# Altium PCB Motor_Driver.PcbDoc
Units mil, origin at the board's own origin, x right, y up, seen from the top; angles counter-clockwise.
Board outline 3935 x 2365 mil, 2 copper layers (Top Layer, Bottom Layer); 60 components, 44 nets, 399 pads, 16 vias.
Unrouted connection lines stored in the file: 2.
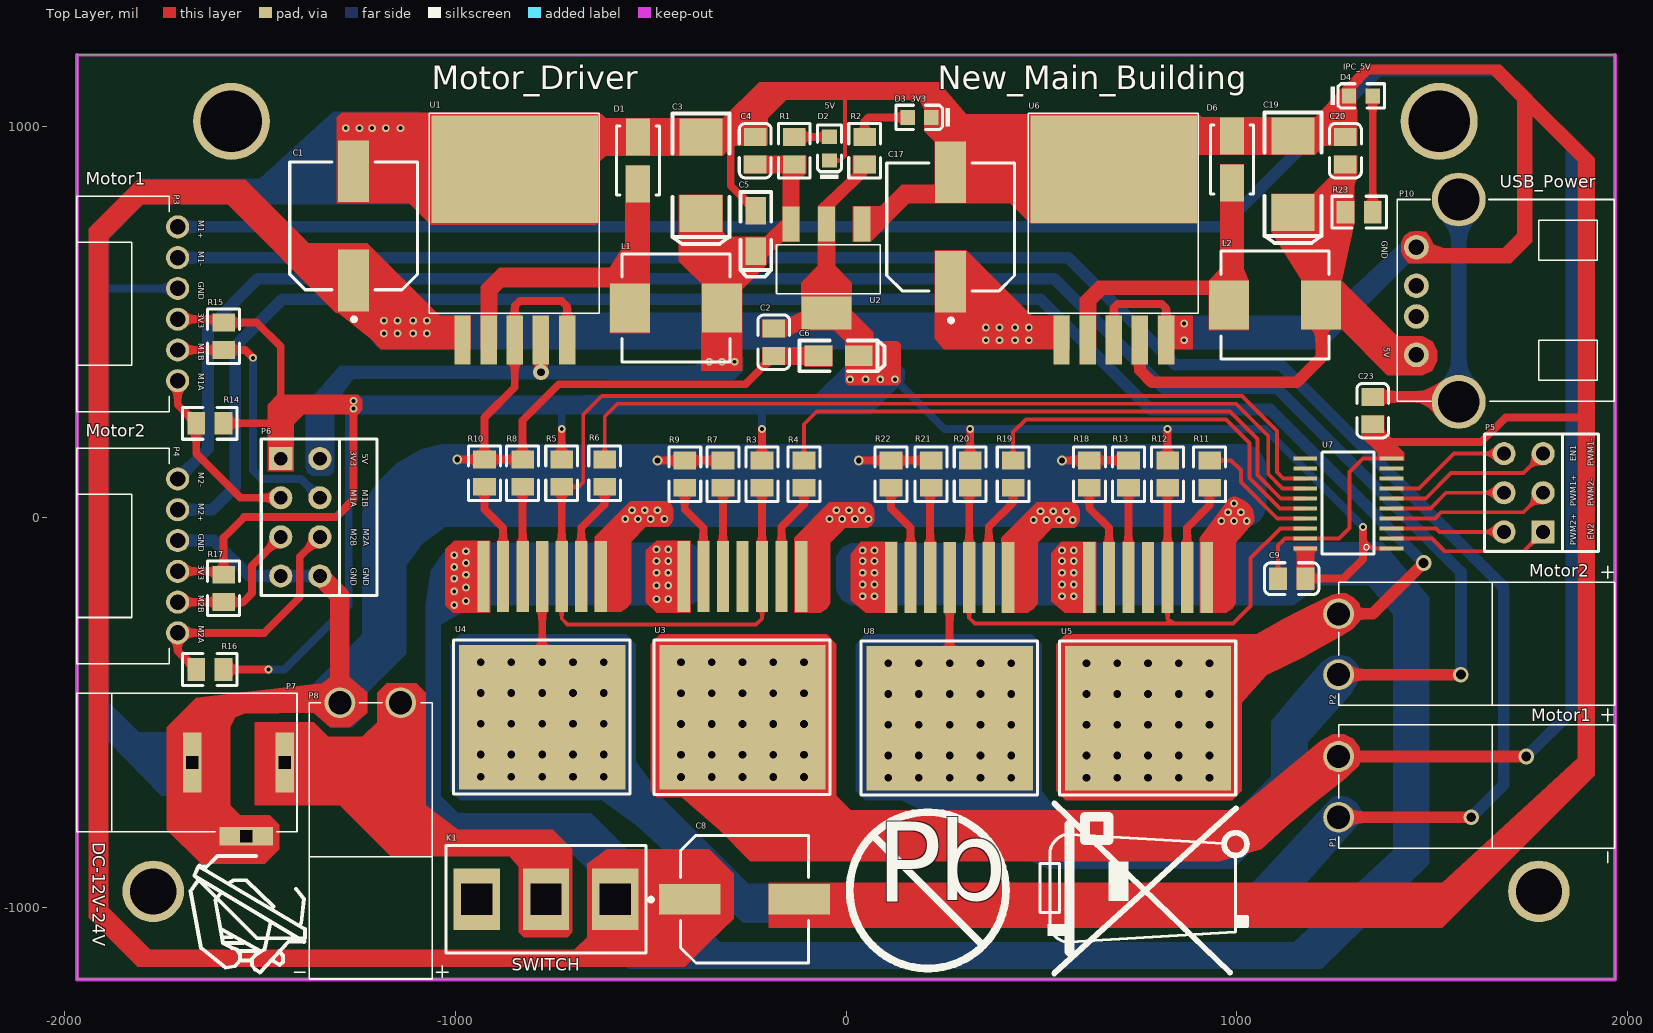
[diagram p0: Top Layer view]
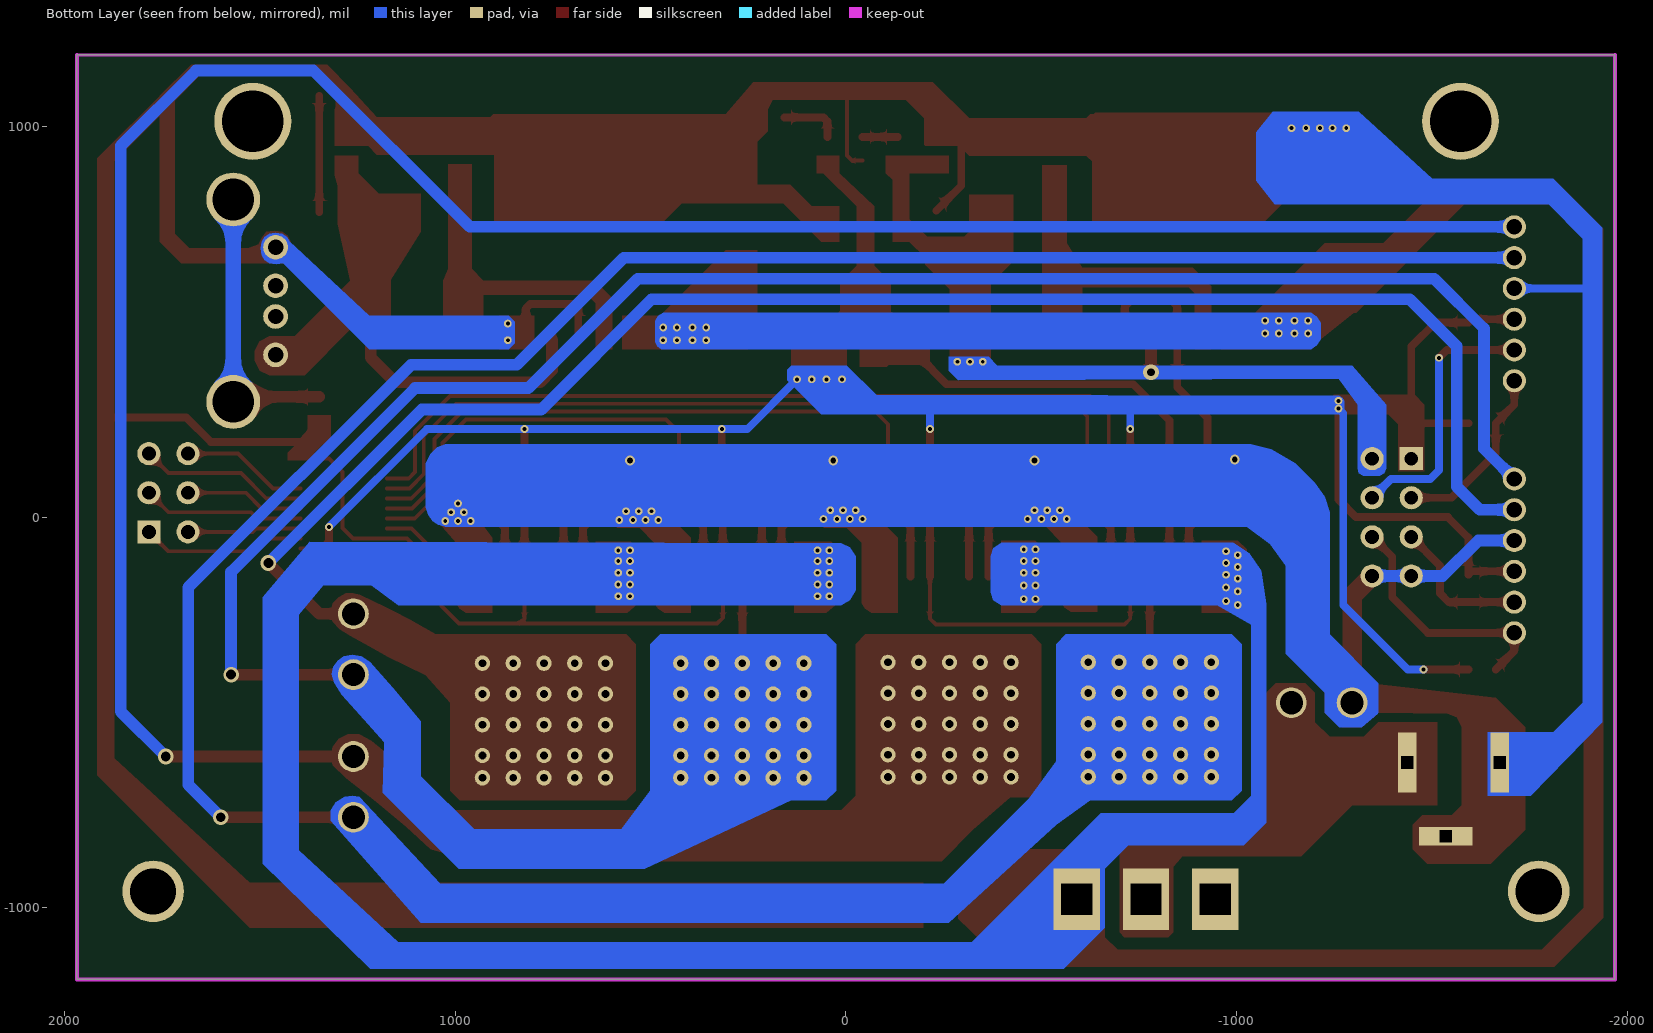
[diagram p1: Bottom Layer view, seen from below]
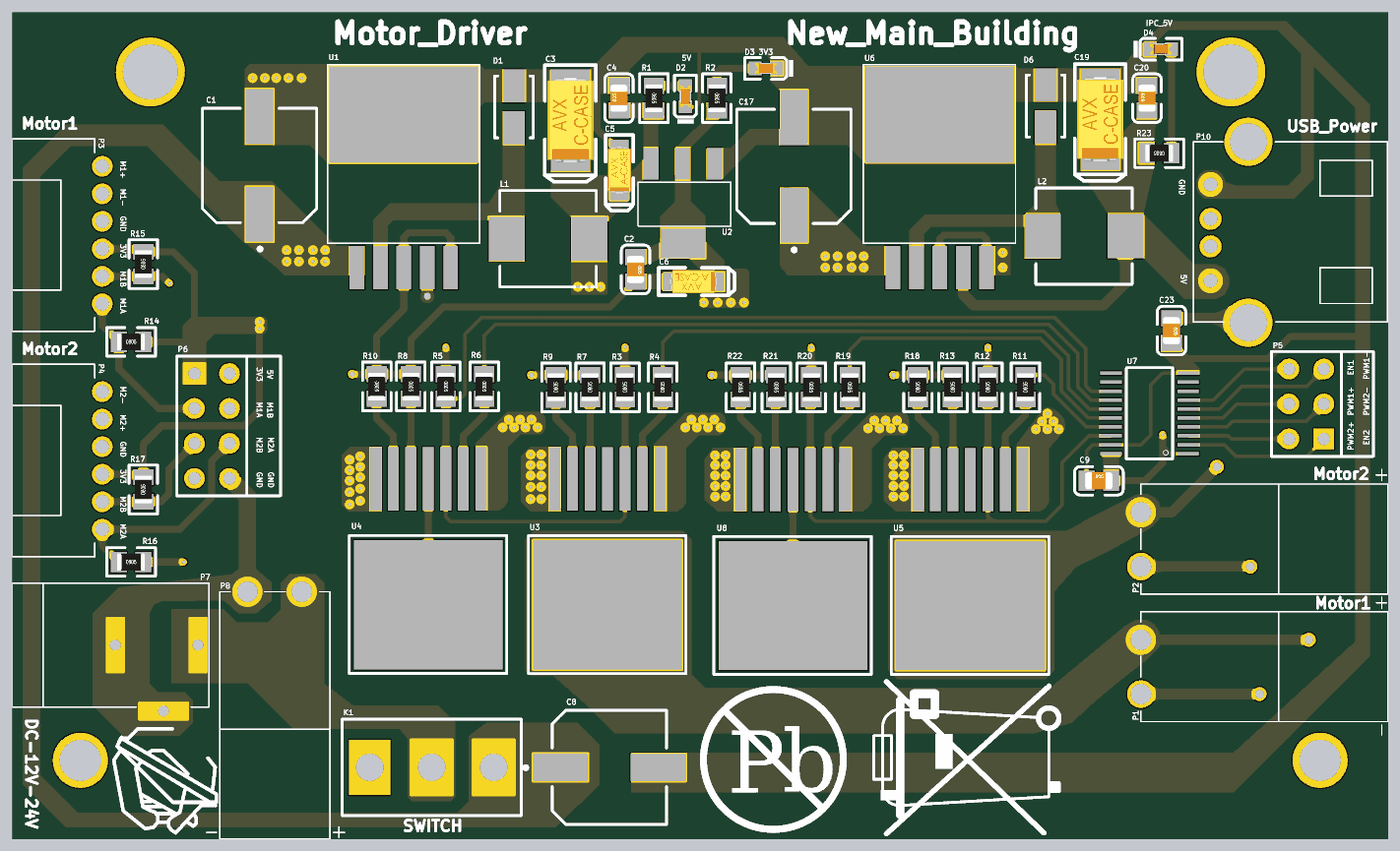
[diagram p2: 3D render of the assembled board from above, using the file's embedded part models]

## Layer stack, top to bottom
Top Solder: solder mask 0.4, Solder Resist, Dk 3.5
Top Layer: signal copper 1.4
Dielectric 1: dielectric 12.6, FR-4, Dk 4.8
Bottom Layer: signal copper 1.4
Bottom Solder: solder mask 0.4, Solder Resist, Dk 3.5

## Board outline
-1967.5,-1182.5 -1967.5,1182.5 1967.5,1182.5 1967.5,-1182.5

## Design rules (kind name [scope] priority, off if disabled: settings)
Clearance Polygon [InPolygon] p1: gap=30
Clearance [All] p2: gap=6
Height [All] p1: minheight=0 maxheight=2000 prefheight=500
HoleSize [All] p1: absolutevalues=TRUE maxlimit=200 minlimit=1 maxpercent=80.000 minpercent=20.000
MinimumSolderMaskSliver [All] p1: minsoldermaskwidth=0
PolygonConnect [All] p1: connectstyle=Relief reliefconductorwidth=15 reliefentries=4 polygonreliefangle="90 Angle" airgapwidth=20
RoutingVias [All] p1: holewidth=10 width=20 viastyle="Through Hole" minholewidth=10 minwidth=20 maxholewidth=160 maxwidth=200
SilkToSilkClearance [All] p1: silktosilkclearance=2
SilkToSolderMaskClearance [IsPad] p1: minsilkscreentomaskgap=0 clearancetoexposedcopper=TRUE
SolderMaskExpansion [All] p1: expansion=4
Width [All] p1: maxlimit=50 minlimit=10 preferedwidth=30
25 further rules are at their usual default settings.

## Components (designator, comment, footprint, x,y, rotation, side; value= is the part's Value field where it differs from the comment)
C1 "470uF,25v" SMD8102_C -1260,745 r180 top
C2 "0.1uF" 0805_C -185,447.54 r270 top
C3 "100uF,10V" CAP_CASE_C_6032 -372.5,872.5 r90 top
C4 "0.1uF" 0805_C -232.5,937.46 r90 top
C5 "10uF 10v" CAP_CASE_A_3216 -230,735 r90 top
C6 "10uF 10v" CAP_CASE_A_3216 -22.03,413.48 r180 top
C8 "470uF,35v" SMD8102_C -260,-977.5 r90 top
C9 "0.1uF" 0805_C 1140,-157.5 r0 top
C17 "470uF,25v" SMD8102_C 267.5,742.26 r180 top
C19 "100uF,10V" CAP_CASE_C_6032 1142.5,875 r90 top
C20 "0.1uF" 0805_C 1277.5,937.5 r90 top
C23 "0.1uF" 0805_C 1347.5,272.5 r270 top
D1 "SS34" SMA(DO-214AC) -532.5,912.46 r90 top
D2 "LED_0603" 0603_LED -42.5,942.5 r90 top
D3 "LED_0603" 0603_LED 187.82,1022.5 r180 top
D4 "LED_0603" 0603_LED 1317.18,1077.5 r0 top
D6 "SS34" SMA(DO-214AC) 987.5,915 r90 top
K1 "Switch" Switch_Key3 -767.83,-977.5 r180 top
L1 "330uH" SMD0707_L -435,535 r0 top
L2 "330uH" SMD0707_L 1097.5,542.5 r0 top
P1 "Motor1" HT3.96_Power 1260,-768.01 r90 top
P2 "Motor2" HT3.96_Power 1260,-403.01 r90 top
P3 "Motor1" PH2.0_P6 -1710,742.48 r270 top
P4 "Motor2" PH2.0_P6 -1710,97.48 r270 top
P5 "Motor_Control" Connect_3×2 1735,62.5 r90 top
P6 "MCU_Power" CONNECT_4×2 -1400,0 r270 top
P7 "DC005" DC005 -1534.7,-816.48 r0 top
P8 "Power" HT3.96_Power -1295,-475 r0 top
P10 "USB_Power" USB_Pin6 1459.23,414.86 r90 top
R1 "5.1k" 0805_R -132.5,937.54 r270 top
R2 "3.1k" 0805_R 47.5,937.5 r270 top
R3 "1k" 0805_R -215,110.04 r90 top
R4 "1k" 0805_R -107.5,110 r90 top
R5 "1k" 0805_R -727.5,112.54 r270 top
R6 "1k" 0805_R -617.5,112.54 r270 top
R7 "1k" 0805_R -315,110 r90 top
R8 "1k" 0805_R -827.5,112.54 r270 top
R9 "1k" 0805_R -412.5,109.96 r90 top
R10 "1k" 0805_R -925,112.54 r270 top
R11 "1k" 0805_R 930,110.04 r90 top
R12 "1k" 0805_R 822.5,110 r90 top
R13 "1k" 0805_R 722.5,110.04 r90 top
R14 "4.7k" 0805_R -1627.5,240 r0 top
R15 "4.7k" 0805_R -1592.5,462.54 r90 top
R16 "4.7k" 0805_R -1627.5,-390 r0 top
R17 "4.7k" 0805_R -1592.5,-182.5 r90 top
R18 "1k" 0805_R 622.5,110 r90 top
R19 "1k" 0805_R 427.5,110 r270 top
R20 "1k" 0805_R 317.5,110.04 r270 top
R21 "1k" 0805_R 217.5,110.04 r270 top
R22 "1k" 0805_R 115,110.04 r270 top
R23 "5.1k" 0805_R 1312.54,780 r180 top
U1 "LM2596S" LM2596S -847.5,472.68 r180 top
U2 "AMS1117_3.3V" LM1117 -50,521.65 r180 top
U3 "BTN7971B" BTN7971B -265,-512.5 r180 top
U4 "BTN7971B" BTN7971B -777.5,-512.01 r180 top
U5 "BTN7971B" BTN7971B 772.5,-514.51 r180 top
U6 "LM2596S" LM2596S 685,472.68 r180 top
U7 "SN74LVC245APW" SN74LVC245APW 1285,-80 r180 top
U8 "BTN7971B" BTN7971B 265,-514.51 r180 top

## Footprints (in the part's own frame and the unit in brackets; to place one, negate y for a bottom-side part, rotate by r counter-clockwise, add the part's x,y. Pads: shape width x height; smd on the part's side, far side on the other; paste and mask are expansions set on the pad)
0603_LED [mm]
  rect 0.93x0.98 smd: A(0.77,0) K(-0.77,0)
  silkscreen extent -1.98,-0.79 1.54,0.79, body extent -0.8,-0.4 0.8,0.4, height 0.6
0805_C [mm]
  rect 1.16x1.47 smd: 1(-0.89,0) 2(0.89,0)
  silkscreen extent -1.77,-1.04 1.77,1.04, body extent -1,-0.62 1,0.63, height 0.77
0805_R [mm]
  rect 1.16x1.47 smd: 1(-0.89,0) 2(0.89,0)
  silkscreen extent -1.77,-1.04 1.77,1.03, body extent -1,-0.62 1,0.63, height 0.49
BTN7971B [mm]
  rect 0.8x4.6 smd: 1(-3.81,-9.15) 2(-2.54,-9.15) 3(-1.27,-9.15) 4(0,-9.15) 5(1.27,-9.15) 6(2.54,-9.15) 7(3.81,-9.15)
  round 1 hole 0.5: 8(-4,3.875) 8(-4,-1.575) 8(-4,0.425) 8(-4,2.425) 8(-4,-3.575) 8(-2,2.425) 8(-2,3.875) 8(-2,0.425) 8(-2,-3.575) 8(-2,-1.575) 8(0,3.875) 8(0,2.425) 8(0,0.425) 8(0,-1.575) 8(0,-3.575) 8(2,2.425) 8(2,3.875) 8(2,0.425) 8(2,-3.575) 8(2,-1.575) 8(4,3.875) 8(4,-1.575) 8(4,0.425) 8(4,2.425) 8(4,-3.575)
  rect 10.8x9.4 smd: 8(0,0)
  silkscreen extent -5.7,-5.02 5.75,5, body extent -5.7,-5 5.72,5, height 4.4
CAP_CASE_A_3216 [mm]
  rect 1.8x1.35 smd: 1(-1.385,0.025) 2(1.235,0.025)
  silkscreen extent -3.05,-0.98 2.46,1.03, body extent -1.77,-0.81 1.63,0.87, height 1.71
CAP_CASE_C_6032 [mm]
  rect 2.4x2.8 smd: 1(-2.43,-0.025) 2(2.53,-0.025)
  silkscreen extent -4.42,-1.88 4.06,1.82, body extent -3,-1.7 3.1,1.65, height 2.7
Connect_3×2 [mm]
  rect 1.5x1.5 hole 0.9: 1(-2.545,-1.229)
  round 1.5 hole 0.9: 2(-2.545,1.311) 3(-0.005,-1.229) 4(-0.005,1.311) 5(2.535,-1.229) 6(2.535,1.311)
  silkscreen extent -3.82,-2.5 3.8,2.58
CONNECT_4×2 [mm]
  rect 1.5x1.5 hole 0.9: 1(-3.795,-1.175)
  round 1.5 hole 0.9: 2(-3.795,1.365) 3(-1.255,-1.175) 4(-1.255,1.365) 5(1.285,-1.175) 6(1.285,1.365) 7(3.825,-1.175) 8(3.825,1.365)
  silkscreen extent -5.06,-2.44 5.1,2.64
DC005 [mm]
  rect 1.2x3.9 hole 0.8 square: 1(2.5,4.8) 2(-3.5,4.8)
  rect 3.5x1.2 hole 0.8 square: 3(0,0)
  silkscreen extent -11,0.3 3.3,9.3, body extent -11,0.3 3.3,9.3, height 11
HT3.96_Power [mm]
  round 2 hole 1.5: 1(0,0) 2(3.95,0)
  silkscreen extent -2.95,-17.95 7.05,0, body extent -2,-17.95 6,0, height 10
LM1117 [mm]
  rect 1.09x2.29 smd: 1(-2.3,-5.8) 2(0,-5.8) 3(2.3,-5.8)
  rect 3.25x2.15 smd: 4(0,0)
  silkscreen extent -3.5,-4.45 3.25,-1.25, body extent -3.5,-4.45 3.25,-1.25, height 1.8
LM2596S [mm]
  rect 1.07x3.16 smd: 1(3.4,0.5) 2(1.7,0.5) 3(0,0.5) 4(-1.7,0.5) 5(-3.4,0.5)
  rect 10.8x6.99 smd: 6(0,-10.6)
  silkscreen extent -5.5,-14.25 5.55,-1.25, body extent -5.5,-13.8 5.5,-1.25, height 4.6
PH2.0_P6 [mm]
  round 1.5 hole 1: 1(0,0) 2(2,0) 3(4,0) 4(6,0) 5(8,0) 6(10,0)
  silkscreen extent -2,-6.55 12,-0.55, body extent -2.01,-6.55 12,-0.56, height 4.7
SMA(DO-214AC) [mm]
  rect 2.4x1.55 smd: 1(-1.525,0) 2(1.525,0)
  silkscreen extent -2.25,-1.4 2.25,1.4, body extent -2.25,-1.4 2.25,1.39, height 2.29
SMD0707_L [mm]
  rect 2.6x3.2 smd: 1(-3,0) 2(3,0)
  silkscreen extent -3.5,-3.5 3.5,3.5, body extent -3.5,-3.5 3.5,3.5, height 3.5
SMD8102_C [mm]
  rect 2x4 smd: 1(0,3.55) 2(0,-3.55)
  silkscreen extent -4.15,-4.15 4.15,6.2, body extent -4.15,-4.97 4.15,4.95, height 10.5
SN74LVC245APW [mm]
  rect 1.55x0.25 smd: 1(-2.8,0) 2(-2.8,-0.65) 3(-2.8,-1.3) 4(-2.8,-1.95) 5(-2.8,-2.6) 6(-2.8,-3.25) 7(-2.8,-3.9) 8(-2.8,-4.55) 9(-2.8,-5.2) 10(-2.8,-5.85) 11(2.8,-5.85) 12(2.8,-5.2) 13(2.8,-4.55) 14(2.8,-3.9) 15(2.8,-3.25) 16(2.8,-2.6) 17(2.8,-1.95) 18(2.8,-1.3) 19(2.8,-0.65) 20(2.8,0)
  silkscreen extent -1.68,-6.25 1.7,0.38, body extent -1.68,-6.27 1.7,0.38, height 1.2
Switch_Key3 [mm]
  rect 3x4 hole 2 square: 1(-4.5,0) 2(0,0) 3(4.5,0)
  silkscreen extent -6.5,-3.5 6.5,3.5, body extent -6.53,-3.5 6.48,3.5, height 28
USB_Pin6 [mm]
  round 1.6 hole 1: 1(0,0) 2(2.5,0) 3(4.5,0) 4(7,0)
  round 3.5 hole 2.7: 5(-3.05,-2.75) 6(10.1,-2.75)
  silkscreen extent -3,-12.85 10.1,1.25, body extent -3,-12.85 10.1,1.25, height 6

## Part data
C1 C3 C5 C6 C8 C17 C19: library part Cap_Polar
C2 C4 C9 C20 C23: library part Cap
D1 D6: library part Diode_Zener
D2 D3 D4: library part LED
K1: library part Switch_Key3
L1 L2: library part Inductor
P1 P2 P8: library part HT3.96_Power
P3 P4: library part PH2.0_P6
P5: library part Connect_3×2
P6: library part Connect_4×2
P10: library part USB_Pin6
R1 R2 R3 R4 R5 R6 R7 R8 R9 R10 R11 R12 R13 R14 R15 R16 R17 R18 R19 R20 R21 R22 R23: library part Res

## Free pads (board coordinates)
  round 157.48 hole 118.11: 1(-1772.52,-957.48) 2(1772.52,-957.48)
  round 196.85 hole 157.48: 3(1517.48,1012.52) 4(-1572.48,1012.52)
  round 20 hole 10: 5(-1002.5,-97.5) 5(-972.5,-87.5) 5(-485,-82.5) 5(-455,-82.5) 6(-1002.5,-127.5) 6(-972.5,-117.5) 6(-485,-112.5) 6(-455,-112.5) 7(-1002.5,-157.5) 7(-972.5,-147.5) 7(-485,-142.5) 7(-455,-142.5) 8(-1002.5,-190) 8(-972.5,-180) 8(-485,-175) 8(-455,-175) 9(-1002.5,-225) 9(-972.5,-215) 9(-485,-210) 9(-455,-210) 10(42.5,-85) 10(72.5,-85) 10(552.5,-85) 10(582.5,-85) 11(42.5,-112.5) 11(72.5,-112.5) 11(552.5,-112.5) 11(582.5,-112.5) 12(42.5,-142.5) 12(72.5,-142.5) 12(552.5,-142.5) 12(582.5,-142.5) 13(42.5,-172.5) 13(72.5,-172.5) 13(552.5,-172.5) 13(582.5,-172.5) 14(42.5,-202.5) 14(72.5,-202.5) 14(552.5,-202.5) 14(582.5,-202.5) 15(-565,-5) 15(-547.5,17.5) 15(-42.5,-5) 15(-25,17.5) 15(480,-7.5) 15(497.5,15) 15(960,-10) 15(977.5,12.5) 16(-532.5,-5) 16(-515,17.5) 16(-10,-5) 16(7.5,17.5) 16(512.5,-7.5) 16(530,15) 16(992.5,-10) 16(1010,12.5) 17(-500,-5) 17(-482.5,17.5) 17(22.5,-5) 17(40,17.5) 17(545,-7.5) 17(562.5,15) 17(992.5,35) 17(1025,-10) 18(-465,-5) 18(57.5,-5) 18(580,-7.5) 19(-1280,995) 20(-1245,995) 21(-1212.5,995) 22(-1177.5,995) 23(-1140,995) 24(-1182.5,502.5) 24(357.5,485) 25(-1147.5,502.5) 25(392.5,485) 26(-1107.5,502.5) 26(432.5,485) 27(-1182.5,470) 27(357.5,452.5) 28(-1147.5,470) 28(392.5,452.5) 29(-1107.5,470) 29(432.5,452.5) 30(-1072.5,502.5) 30(467.5,485) 31(-1072.5,470) 31(467.5,452.5) 32(10,352.5) 33(50,352.5) 34(87.5,352.5) 35(125,352.5) 37(865,495) 38(865,452.5) 41(-350,397.5) 42(-317.5,397.5) 43(-285,397.5) 44(-1260,277.5) 45(-1260,297.5)

## Via types
v1: diameter 20, hole 10, Top Layer to Bottom Layer, 7 vias
v2: diameter 25, hole 15, Top Layer to Bottom Layer, 4 vias
v3: diameter 40, hole 25, Top Layer to Bottom Layer, 4 vias
v4: diameter 40, hole 20, Top Layer to Bottom Layer, tented both sides, 1 vias

## Nets (pads, with @x,y where several pads share a name; then routed paths per layer and width w, separated by ;. In a path a pad name is that pad's centre, name@x,y a point inside that pad or via, vN(x,y) a via of type N, cw(c..) or ccw(c..) an arc to the next point about the centre after c; other vN are vias at no path point)
12V_24V: C1.1 C8.1 C17.1 K1.1 pad.5 pad.6 pad.7 pad.8 pad.9 pad.10 pad.11 pad.12 pad.13 pad.14 pad.24 pad.25 pad.26 pad.27 pad.28 pad.29 pad.30 pad.31 U1.1 U3.7 U4.7 U5.7 U6.1 U8.7
EN1: R3.1 R5.2 U3.3 U4.3 U7.13 | length 3445.9
  Top Layer w10: U4.3 -727.5,-260 -712.5,-275 -230,-275 -215,-260 U3.3 ; R5.2 -685,77.5 -672.5,90 -672.5,262.5 -625,310 1012.5,310 1102.5,220 1102.5,115 1118.37,99.13 U7.13
  Top Layer w20: U4.3 R5.2 ; U3.3 R3.1
EN2: R12.1 R20.2 U5.3 U7.18 U8.3 | length 1724.8
  Top Layer w10: U8.3 315,-257.5 330,-272.5 835,-272.5 ; U5.3 822.5,-260 835,-272.5 ; U7.18 1111.18,-28.82 1035,-105 1035,-227.5 990,-272.5 835,-272.5
  Top Layer w20: U8.3 315,72.5 R20.2 ; U5.3 R12.1
GND: C1.2 C2.2 C3.2 C4.2 C5.2 C6.2 C8.2 C9.1 C17.2 C19.2 C20.2 C23.2 D1.2 D2.K D3.K D4.K D6.2 P3.3 P4.3 P6.7 P6.8 P7.2 P7.3 P8.1 P10.4 pad.15 pad.16 pad.17 pad.18 pad.19 pad.20 pad.21 pad.22 pad.23 pad.37 pad.38 R7.2 R8.1 R9.2 R10.1 R13.2 R18.2 R21.1 R22.1 U1.3 U1.5 U1.6 U2.1 U3.1 U4.1 U5.1 U6.3 U6.5 U6.6 U7.10 U7.19 U8.1 | length 4972.2
  Top Layer w10: D2.K -15.31,912.19 -2.5,925 -2.5,1092.5 ; C9.1 1104.96,-72.54 1123.09,-54.41 U7.19 1260.59,-54.41 1287.5,-27.5 1287.5,115 1322.81,150.32 U7.10
  Top Layer w20: v2(-994.92,147.58) R10.1 ; U1.5@-713.64,472.68 -713.64,538.64 -727.5,552.5 -835,552.5 -847.5,540 U1.3 -847.5,332.5 -925,255 R10.1 ; v2(-482.5,145) R9.2 R7.2 R7.2 ; C4.2 -277.5,972.5 -295,955 -295,847.64 C5.2 ; C2.2 -257.5,340 -735,340 -827.5,247.5 R8.1 R10.1 ; v2(32.58,145.08) R22.1 R21.1 ; v2(552.54,145.04) R18.2 722.46,145.04 R13.2 ; U6.3@685,472.68 685,535 695,545 807.5,545 818.86,533.64 U6.5@818.86,472.68 ; C23.2 1392.46,192.5 1625,192.5 1687.5,255 1895,255
  Top Layer w50: P6.8 -1295,-201.85 P8.1
  Bottom Layer w20: -1910,585 P3.3
  Bottom Layer w30: P4.3 -1617.5,-60 -1526.91,-150.59 P6.7 P6.8
IPC_5V: C19.1 C20.1 L2.2 P10.1 R23.2 U6.4 | length 734
  Top Layer w20: U6.4 U6.4@751.93,472.68
  Top Layer w30: U6.4 751.93,375.57 782.5,345 1152.5,345 1215.61,408.11 L2.2
M1+: P1.2 P3.1 U3.4 U3.8 | length 5900.6
  Top Layer w30: P1.2 v3(1740,-612.5)
  Bottom Layer w30: P3.1 962.48,742.48 1362.5,1142.5 1662.5,1142.5 1855,950 1855,-497.5 v3(1740,-612.5)
M1-: P1.1 P3.2 U4.4 U4.8 | length 4923.4
  Top Layer w20: U4.8@-777.5,-371.26 U4.4
  Top Layer w30: P1.1 v3(1599.49,-768.01)
  Bottom Layer w30: P3.2 568.76,663.74 842.5,390 1112.5,390 1682.5,-180 1682.5,-685 v3(1599.49,-768.01)
M1A: P3.6 P6.3 R14.1 | length 469
  Top Layer w20: P3.6 -1710,287.46 R14.1 -1662.54,162.54 -1549.41,49.41 P6.3
M1B: P3.5 P6.4 R15.1 | length 688.8
  Top Layer w20: P3.5 R15.1 -1537.5,427.5 v1(-1517.5,407.5)
  Bottom Layer w20: v1(-1517.5,407.5) -1517.5,120 -1495,97.5 -1394.35,97.5 P6.4
M2+: P2.2 P4.2 U5.4 U5.8 | length 4172.5
  Top Layer w30: P2.2 1347.5,-247.5 v3(1477.5,-117.5)
  Bottom Layer w30: P4.2 -1621.26,18.74 -1562.5,77.5 -1562.5,437.5 -1442.5,557.5 497.5,557.5 780,275 1085,275 v3(1477.5,-117.5)
M2-: P2.1 P4.1 U8.4 U8.8 | length 4781.3
  Top Layer w20: U8.8@265,-373.76 U8.4
  Top Layer w30: P2.1 v3(1573.01,-403.01)
  Bottom Layer w30: P4.1 -1632.5,174.98 -1632.5,482.5 -1505,610 532.5,610 812.5,330 1102.5,330 1573.01,-140.51 v3(1573.01,-403.01)
M2A: P4.6 P6.6 R16.1 | length 639.4
  Top Layer w20: R16.1 -1710,-342.54 P4.6 -1488.72,-296.22 -1397.5,-205 -1397.5,-101.83 P6.6
M2B: P4.5 P6.5 R17.1 | length 374.3
  Top Layer w20: P4.5 -1542.48,-217.48 -1520,-195 -1520,-124.33 P6.5
M_EN1: P5.6 U7.7 | length 324.9
  Top Layer w10: U7.7 1466.04,73.54 1554.8,162.3 P5.6
M_EN2: P5.1 U7.2 | length 422.5
  Top Layer w10: U7.2 1499.41,-54.41 1532.5,-87.5 1733.58,-87.5 P5.1
M_PWM1+: P5.4 U7.5 | length 304.7
  Top Layer w10: U7.5 1494.86,22.36 1534.8,62.3 P5.4
M_PWM1-: P5.5 U7.6 | length 435.5
  Top Layer w10: U7.6 1482.95,47.95 1547.5,112.5 1733.58,112.5 P5.5
M_PWM2+: P5.2 U7.3 | length 291.8
  Top Layer w10: U7.3 1508.82,-28.82 1517.7,-37.7 P5.2
M_PWM2-: P5.3 U7.4 | length 415.3
  Top Layer w10: U7.4 1506.77,-3.23 1522.5,12.5 1733.58,12.5 P5.3
MCU_3V3: C2.1 C6.1 C9.2 P3.4 P4.4 P6.1 pad.32 pad.33 pad.34 pad.35 pad.44 pad.45 R2.2 R3.2 R5.1 R12.2 R14.2 R15.2 R16.2 R17.2 R20.1 U2.2 U2.4 U7.1 U7.20 | length 4662.8
  Top Layer w10: U7.20 1174.76,-157.22 C9.2 ; 1322.5,-57.5 1345,-80 U7.1
  Top Layer w20: P4.4 -1601.22,-138.74 R17.2 -1592.5,-52.5 -1540,0 -1305,0 -1260,45 pad.44 ; P3.4 -1601.18,506.26 R15.2 -1507.58,497.58 -1446.26,436.26 -1446.26,208.76 ; R16.2 v1(-1477.5,-390) ; R14.2 -1477.5,240 -1446.26,208.76 ; P6.1 -1446.26,208.76 ; R5.1 v1(-727.5,225) ; R3.2 v1(-215,225) ; R20.1 v1(317.5,225) ; R12.2 v1(822.5,225) ; C9.2@1174.76,-157.22 1272.78,-157.22 1322.5,-107.5 1322.5,-57.5 v1(1322.5,-25)
  Bottom Layer w20: v1(-1477.5,-390) -1437.5,-390 -1272.5,-225 -1272.5,265 pad.44 ; v1(-727.5,225) -727.5,287.5 ; v1(-215,225) -215,287.5 ; pad.35 252.5,225 v1(317.5,225) v1(822.5,225) 1072.5,225 v1(1322.5,-25)
NetD1_1: D1.1 L1.1 U1.2
NetD2_A: D2.A R1.1 | length 90.1
  Top Layer w20: R1.1 -42.74,972.58 D2.A
NetD3_A: D3.A R2.1 | length 154.1
  Top Layer w20: R2.1 47.5,1012.5 57.5,1022.5 D3.A
NetD4_A: D4.A R23.1 | length 297.5
  Top Layer w20: D4.A 1347.5,780.08 R23.1
NetD6_1: D6.1 L2.1 U6.2
NetR4_1: R4.1 U3.2 | length 251
  Top Layer w20: U3.2 -165,-25 -107.5,32.5 R4.1
NetR6_2: R6.2 U4.2 | length 254.1
  Top Layer w20: U4.2 -677.5,-27.5 -617.5,32.5 R6.2
NetR7_1: R7.1 U3.5 | length 227.2
  Top Layer w20: U3.5 R7.1
NetR8_2: R8.2 U4.5 | length 229.3
  Top Layer w20: U4.5 R8.2
NetR9_1: R9.1 U3.6 | length 246.9
  Top Layer w20: R9.1 -412.5,20 -365,-27.5 U3.6
NetR10_2: R10.2 U4.6 | length 248.9
  Top Layer w20: R10.2 -925,20 -877.5,-27.5 U4.6
NetR11_1: R11.1 U5.2 | length 253.1
  Top Layer w20: U5.2 872.5,-27.5 930,30 R11.1
NetR13_1: R13.1 U5.5 | length 229.3
  Top Layer w20: U5.5 R13.1
NetR18_1: R18.1 U5.6 | length 249.9
  Top Layer w20: R18.1 622.5,22.5 672.5,-27.5 U5.6
NetR19_2: R19.2 U8.2 | length 255.1
  Top Layer w20: U8.2 365,-25 427.5,37.5 R19.2
NetR21_2: R21.2 U8.5 | length 230.3
  Top Layer w20: U8.5 215,72.5 R21.2
NetR22_2: R22.2 U8.6 | length 250
  Top Layer w20: R22.2 115,22.5 165,-27.5 U8.6
PGND: C23.1 P10.5 P10.6 | length 743
  Top Layer w30: C23.1 1554.74,307.54 P10.5
  Bottom Layer w40: P10.5 P10.6
PWM1+: R4.2 U7.15 | length 1534.3
  Top Layer w10: R4.2 -107.5,237.5 -75,270 982.5,270 1052.5,200 1052.5,107.5 1112.05,47.95 U7.15
PWM1-: R6.1 U7.14 | length 2062.4
  Top Layer w10: R6.1 -617.5,257.5 -585,290 997.5,290 1080,207.5 1080,110 1116.46,73.54 U7.14
PWM2+: R11.2 U7.17 | length 323.8
  Top Layer w10: R11.2 984.92,145.08 1010,120 1010,90 1103.23,-3.23 U7.17
PWM2-: R19.1 U7.16 | length 980.2
  Top Layer w10: R19.1 427.5,217.5 460,250 972.5,250 1032.5,190 1032.5,100 1110.14,22.36 U7.16
VCC_5V: C3.1 C4.1 C5.1 L1.2 P6.2 pad.41 pad.42 pad.43 R1.2 U1.4 U2.3 | length 102.1
  Top Layer w20: U1.4 U1.4@-780.57,472.68
  Top Layer w30: v4(-780.57,370.57) U1.4
VIN_12V_24V: K1.2 P7.1 P8.2
pads on no net: K1.3 P10.2 P10.3 U7.8 U7.9 U7.11 U7.12

## Polygon pours and split planes (outlines as drawn)
GND on Top Overlay "Top Layer-GND" (solid, remove dead copper): -1967.5,1182.5 1967.5,1182.5 1967.5,-1182.5 -1967.5,-1182.5 -1967.5,1182.5

## Keep-outs
Keep-Out Layer:
  the board outline again, w10

## Other copper
Top Layer:
  region net M1+: -475,-300 -50,-300 -25,-325 -25,-712.5 12.5,-750 1000,-750 1215,-572.5 1245,-555 1275,-555 1297.92,-567.5 1312.5,-587.5 1317.5,-612.5 1312.5,-635 1278.75,-668.75 1201.25,-728.75 1125,-792.5 1062.5,-850 957.5,-880 -245,-880 -325,-800 -420,-716.25 -442.5,-716.25 -483.75,-716.25 -500,-700 -500,-530 -500,-325
  region net VIN_12V_24V: -1512.5,-737.5 -1295,-737.5 -1165,-867.5 -900,-867.5 -860.23,-867.5 -848.75,-881.25 -837.5,-894.72 -837.5,-925 -837.5,-1062.5 -825,-1075 -712.5,-1075 -700,-1062.5 -700,-850 -750,-800 -1087.5,-800 -1362.5,-525 -1512.5,-525
  region net VIN_12V_24V: -1337.5,-562.5 -1237.5,-562.5 -1200,-525 -1200,-450 -1175,-425 -1100,-425 -1075,-450 -1075,-737.5 -981.25,-808.75 -981.25,-830 -1165,-830 -1347.5,-647.5 -1347.5,-572.5 -1345,-570
  region net 12V_24V: -662.5,-887.5 -662.5,-1050 -612.5,-1087.5 -350,-1087.5 -287.5,-1027.5 -287.5,-912.5 -350,-850 -612.5,-850
  region net GND: -1225,-448.75 -1225,-500 -1270,-537.5 -1320,-537.5 -1362.5,-500 -1540,-502.5 -1562.5,-512.5 -1575,-537.5 -1575,-737.5 -1550,-762.5 -1475,-762.5 -1450,-787.5 -1450,-850 -1487.5,-887.5 -1650,-887.5 -1737.5,-800 -1737.5,-537.5 -1662.5,-462.5 -1575,-452.5 -1340,-425 -1320,-410 -1270,-410
  region net M2+: 562.5,-300 537.5,-325 537.5,-700 562.5,-725 987.5,-725 1012.5,-700 1012.5,-475 1074.8,-404.58 1169.27,-358.5 1220,-330 1268.75,-303.75 1295.04,-287.57 1312.5,-267.5 1317.5,-255 1317.5,-242.5 1312.5,-220 1297.5,-205 1280,-195 1260.2,-195 1243.33,-198.33 1180,-230 1147,-246.5 1130,-255 1117,-261.5 1050,-300 987.5,-300 845,-300
  region net 12V_24V: -910,-60 -910,-245 -1005,-245 -1025,-225 -1025,-82.5 -1002.5,-60
  region net 12V_24V: -397.5,-245 -485,-245 -512.5,-217.5 -512.5,-85 -485,-60 -397.5,-60
  region net 12V_24V: 132.5,-62.5 132.5,-245 50,-245 12.5,-212.5 12.5,-95 37.5,-62.5
  region net 12V_24V: 640,-62.5 640,-245 560,-245 525,-215 525,-92.5 550,-62.5
  region net GND: -642.5,-242.5 -575,-242.5 -560,-232.5 -550,-217.5 -550,-62.5 -512.5,-25 -455,-25 -447.5,-17.5 -442.5,-5 -442.5,20 -447.5,32.5 -455,40 -552.5,40 -642.5,-50
  region net GND: -132.5,-245 -65,-245 -50,-235 -40,-220 -40,-65 -2.5,-27.5 55,-27.5 65,-22.5 70,-15 72.5,-7.5 72.5,17.5 70,25 65,32.5 55,37.5 -42.5,37.5 -132.5,-52.5
  region net GND: 397.5,-245 465,-245 480,-235 490,-220 490,-65 527.5,-27.5 585,-27.5 592.5,-20 597.5,-7.5 597.5,17.5 592.5,30 585,37.5 487.5,37.5 397.5,-52.5
  region net GND: 905,-245 972.5,-245 987.5,-235 997.5,-220 997.5,-65 1031.25,-26.25 1040,-17.5 1043.75,-7.5 1043.75,2.5 1040,20 1032.5,30 1025,37.5 1015,45 1005,50 993.12,53.12 982.5,50 977.5,45 905,-52.5
  region net 12V_24V: -662.5,-887.5 -662.5,-1075 -695,-1107.5 -1780,-1107.5 -1887.5,-1000 -1887.5,712.5 -1800,800 -1582.5,800 -1305,522.5 -1212.5,522.5 -1212.5,687.5 -1225,700 -1375,700 -1537.5,862.5 -1812.5,862.5 -1937.5,737.5 -1937.5,-1025 -1812.5,-1150 -412.5,-1150 -350,-1087.5 -352.5,-1085 -352.5,-915 -380,-887.5
  region net GND: -1302.5,967.5 -1302.5,802.5 -1117.5,802.5 -1062.5,747.5 -640,747.5 -630,757.5 -630,1027.5 -637.5,1035 -1057.5,1035 -1125,967.5
  region net GND: -1057.5,1035 -1290,1035 -1302.5,1022.5 -1302.5,942.5 -1297.5,937.5 -1065,937.5 -1057.5,945
  region net GND: -500,1020 -500,925 -615,925 -632.5,907.5 -672.5,907.5 -672.5,1030 -625,1030 -615,1020
  region net GND: -567.5,1020 -315,1020 -315,925 -567.5,925
  region net GND: -202.5,995 -290,995 -315,1020 -357.5,1020 -357.5,925 -315,925 -290,950 -202.5,950
  region net VCC_5V: -262.5,925 -262.5,880 -102.5,880 -102.5,925
  region net VCC_5V: -162.5,705 -162.5,925 -102.5,925 -102.5,880 -120,862.5 -120,705
  region net VCC_5V: -370,472.5 -370,597.5 -257.5,710 -257.5,717.5 -207.5,717.5 -162.5,762.5 -162.5,797.5 -120,797.5 -120,705 -162.5,705 -202.5,665 -202.5,645 -265,582.5 -265,472.5
  region net VCC_5V: -427.5,825 -427.5,655 -355,582.5 -337.5,582.5 -232.5,687.5 -232.5,717.5 -302.5,717.5 -315,730 -315,825
  region net NetD1_1: -565,900 -565,700 -605,637.5 -605,597.5 -605,470 -502.5,470 -502.5,900
  region net 12V_24V: -1225,700 -1040,515 -960,515 -960,430 -1120,430 -1190,430 -1215,455 -1312.5,532.5 -1225,525
  region net NetD1_1: -935,430 -935,590 -887.5,637.5 -502.5,637.5 -502.5,587.5 -877.5,587.5 -892.5,572.5 -892.5,430
  region net GND: 200,1042.5 200,987.5 227.5,960 227.5,802.5 307.5,802.5 307.5,962.5 277.5,962.5 237.5,1002.5 237.5,1042.5
  region net GND: -315,1020 -222.5,1112.5 237.5,1112.5 307.5,1030 307.5,802.5 227.5,802.5 227.5,1015 200,1042.5 187.5,1067.5 -152.5,1067.5 -200,1020 -200,952.5 -202.5,950 -302.5,950 -315,962.5
  region net GND: 227.5,802.5 420,802.5 472.5,750 900,750 900,1027.5 902.5,1030 375,1030 305,1030 227.5,1027.5 227.5,960
  region net GND: 1017.5,1022.5 910,1022.5 902.5,1030 882.5,1030 882.5,927.5 1017.5,927.5
  region net GND: 990,1022.5 1200,1022.5 1200,927.5 990,927.5
  region net GND: 1307.5,995 1227.5,995 1200,1022.5 1182.5,1022.5 1182.5,927.5 1200,927.5 1222.5,950 1307.5,950
  region net GND: 1267.5,1097.5 1267.5,1017.5 1245,995 1245,950 1307.5,950 1307.5,1042.5 1305,1050 1305,1097.5
  region net IPC_5V: 1247.5,925 1247.5,880 1195,827.5 1087.5,827.5 1087.5,730 1197.5,730 1217.5,750 1300,750 1300,847.5 1307.5,875 1307.5,925
  region net IPC_5V: 1165,480 1165,607.5 1087.5,730 1087.5,827.5 1300,827.5 1300,750 1267.5,605 1267.5,480
  region net 12V_24V: 227.5,682.5 307.5,682.5 475,515 572.5,515 572.5,430 400,430 305,525 227.5,525
  region net NetD6_1: 957.5,902.5 957.5,635 927.5,605 927.5,477.5 1030,477.5 1030,605 1017.5,635 1017.5,902.5
  region net NetD6_1: 597.5,430 597.5,560 642.5,605 1030,605 1030,477.5 927.5,477.5 927.5,568.75 661.25,568.75 640,547.5 640,430
  region net MCU_3V3: 1145,-75 1205,-75 1205,-85 1197.5,-92.5 1197.5,-185 1152.5,-185 1152.5,-92.5 1145,-85
  region net GND: 17.5,795 17.5,705 62.5,705 160,802.5 267.5,802.5 267.5,850 142.5,850 87.5,795
  region net MCU_3V3: 17.5,925 17.5,880 -72.5,795 -72.5,705 -27.5,705 -27.5,795 57.5,880 75,880 75,925
  region net MCU_3V3: -72.5,795 -72.5,642.5 -115,600 -115,477.5 15,477.5 15,600 -27.5,642.5 -27.5,795
  region net GND: -215,435 -110,435 -105,440 -35,440 -35,385 -105,385 -110,390 -215,390
  region net MCU_3V3: -215,460 -155,460 -115,477.5 -85,477.5 -85,525 -115,525 -157.5,505 -215,505
  region net MCU_3V3: -2.5,385 -2.5,450 -30,477.5 -30,527.5 15,527.5 70,472.5 70,385
  region net IPC_5V: 1165,480 1267.5,480 1385,362.5 1475,362.5 1500,375 1512.5,400 1512.5,412.5 1512.5,425 1500,450 1475,462.5 1410,462.5 1267.5,605 1165,605
  region net 12V_24V: 227.5,542.5 227.5,457.5 250,430 486.25,430 487.5,431.25 487.5,512.5 445,512.5 415,542.5
  region net 12V_24V: -1215,455 -1190,430
  region net MCU_3V3: -2.5,450 -2.5,345 5,337.5 132.5,337.5 140,345 140,442.5 132.5,450
  region net GND: 797.5,515 797.5,430 887.5,430 887.5,515
  region net GND: 1317.5,205 1360,165 1360,145 1427.5,145 1427.5,165 1377.5,215 1377.5,260 1317.5,260
  region net VCC_5V: -370,597.5 -370,375 -267.5,375 -265,377.5 -265,597.5
  region net MCU_3V3: -1412.5,117.5 -1445,117.5 -1480,117.5 -1480,287.5 -1455,312.5 -1430,312.5 -1417.5,312.5 -1412.5,312.5
  region net MCU_3V3: -1247.5,312.5 -1237.5,300 -1237.5,275 -1247.5,262.5 -1445,262.5 -1445,312.5 -1417.5,312.5 -1375,312.5 -1337.5,312.5
  region net MCU_3V3: -1387.5,262.5 -1412.5,237.5 -1422.5,237.5 -1425,240 -1425,267.5 -1392.5,267.5
  region net GND: 1267.5,1057.5 1267.5,1097.5 1327.5,1157.5 1675,1157.5 1755,1077.5 1755,705 1700,650 1440,650 1427.5,662.5 1420,677.5 1420,705 1427.5,720 1442.5,730 1462.5,732.5 1482.5,730 1495,715 1502.5,697.5 1530,687.5 1680,687.5 1717.5,725 1717.5,1065 1650,1132.5 1340,1132.5 1305,1097.5 1305,1057.5
  region net GND: 1182.5,1022.5 1200,1022.5 1267.5,1097.5 1292.5,1092.5 1292.5,987.5 1287.5,982.5 1182.5,982.5
  region net GND: -197.5,-935 -197.5,-1050 1525,-1050 1915,-660 1915,917.5 1740,1092.5 1730,1092.5 1710,1072.5 1872.5,910 1872.5,-617.5 1525,-935
Bottom Layer:
  region net 12V_24V: -662.5,-1050 -637.5,-1075 -535,-1075 -507.5,-1047.5 -507.5,-902.5 -652.5,-757.5 -992.5,-757.5 -1037.5,-712.5 -1037.5,-275 -950,-225 -397.5,-225 -377.5,-212.5 -370,-192.5 -370,-100 -377.5,-80 -397.5,-66.25 -918.75,-66.25 -991.25,-66.25 -1032.5,-92.5 -1062.5,-137.5 -1075,-222.5 -1075,-782.5 -1017.5,-840 -722.5,-840 -662.5,-900
  region net M2-: 500,-325 475,-300 50,-300 25,-325 25,-700 50,-725 72.5,-725 140,-725 515,-900 990,-900 1185,-705 1181.16,-576.3 1222.5,-530 1266.13,-481.13 1289.7,-454.73 1308.44,-424.06 1315,-402.5 1311.25,-382.5 1300,-367.5 1284.38,-355.62 1262.5,-352.5 1240,-355.62 1217.81,-370.31 1159.06,-436.56 1087.5,-522.5 1087.5,-662.5 951.25,-798.75 575,-798.75 500,-700
  region net M1-: -987.5,-300 -1012.5,-325 -1012.5,-700 -987.5,-725 -712.5,-725 -625,-725 -537.5,-787.5 -262.5,-1037.5 1087.5,-1037.5 1317.5,-777.5 1317.5,-765 1317.5,-750 1305,-730 1282.5,-715 1262.5,-712.5 1245,-715 1037.5,-937.5 -250,-937.5 -468.75,-718.75 -537.5,-625 -537.5,-325 -562.5,-300
  region net 12V_24V: -662.5,-1050 -557.5,-1155 1217.5,-1155 1492.5,-887.5 1492.5,-205 1371.32,-63.34 12.5,-67.5 -10,-77.5 -25,-100 -25,-187.5 -10,-212.5 12.5,-225 1145,-225 1215,-175 1337.5,-175 1400,-250 1400,-852.5 1145,-1087.5 -322.5,-1087.5 -510,-900 -662.5,-900
  region net GND: -1362.5,-500 -1360,-502.5 -1320,-537.5 -1262.5,-537.5 -1225,-500 -1225,-450 -1125,-350 -1125,-125 -1085,-70 -1025,-25 1025,-25 1042.5,-20 1057.5,-10 1068.75,6.25 1075,25 1075,137.5 1062.36,162.36 1046.11,178.61 1025,186.25 -971.25,186.25 -1037.5,186.25 -1088.75,173.75 -1150,137.5 -1200,87.5 -1225,52.5 -1237.5,12.5 -1237.5,-300 -1362.5,-425
  region net GND: -1642.5,-712.5 -1752.5,-712.5 -1935,-525 -1935,740 -1810,865 -1500,865 -1312.5,1037.5 -1092.5,1037.5 -1050,985 -1050,860 -1097.5,800 -1797.5,800 -1885,712.5 -1885,-475 -1810,-550 -1642.5,-550
  region net 12V_24V: -1215,455 -1205,440 -1190,430 472.5,430 482.5,437.5 487.5,447.5 487.5,502.5 480,515 467.5,522.5 -1190,522.5 -1205,512.5 -1215,497.5
  region net VCC_5V: -262.5,410 -365,410 -387.5,387.5 -1295,387.5 -1382.5,287.5 -1382.5,125 -1377.5,112.5 -1366.25,106.25 -1323.75,106.25 -1312.5,112.5 -1310,125 -1310,287.5 -1261.25,353.75 -287.5,350 -262.5,375
  region net MCU_3V3: -1262.5,310 -1270,305 -1275,297.5 -1275,275 -1270,267.5 -1262.5,262.5 62.5,262.5 150,350 150,377.5 140,387.5 -2.5,387.5 -77.5,312.5
  region net GND: 862.5,515 847.5,500 847.5,445 862.5,430 1220,430 1440,650 1457.5,647.5 1475,650 1487.5,657.5 1495,670 1497.5,687.5 1495,705 1487.5,717.5 1475,725 1460,727.5 1442.5,725 1430,717.5 1422.5,705 1407.5,690 1220,515

## Silkscreen, mask and mechanical layers (free items; w line width, h text height)
Top Overlay:
  drawing of 149 lines, arcs and shapes, not listed
  text "IPC_5V" at 1272.5,1145 h15
  text "Motor_Driver" at -1060,1095 h60
  text "New_Main_Building" at 235,1095 h60
  text "3V3" at 165,1062.5 h15
  text "5V" at -55,1045 h15
  text "Motor1" at -1945,850 h31.5
  text "USB_Power" at 1672.5,842.5 h31.5
  text "M1+" at -1657.5,760 h15 r270
  text "GND" at 1370,707.5 h15 r270
  text "M1-" at -1657.5,680 h15 r270
  text "GND" at -1657.5,602.5 h15 r270
  text "3V3" at -1657.5,522.5 h15 r270
  text "M1B" at -1657.5,445 h15 r270
  text "5V" at 1375,435 h15 r270
  text "M1A" at -1657.5,367.5 h15 r270
  text "Motor2" at -1945,205 h31.5
  text "3V3" at -1267.5,170 h15 r270
  text "5V" at -1237.5,162.5 h15 r270
  text "EN1" at 1867.5,142.5 h15 r90
  text "PWM1-" at 1912.5,130 h15 r90
  text "M2-" at -1657.5,115 h15 r270
  text "M1A" at -1267.5,70 h15 r270
  text "M1B" at -1237.5,70 h15 r270
  text "M2+" at -1657.5,35 h15 r270
  text "PWM1+" at 1867.5,27.5 h15 r90
  text "PWM2-" at 1912.5,27.5 h15 r90
  text "M2B" at -1267.5,-30 h15 r270
  text "M2A" at -1235,-30 h15 r270
  text "GND" at -1657.5,-42.5 h15 r270
  text "EN2" at 1912.5,-57.5 h15 r90
  text "PWM2+" at 1867.5,-72.5 h15 r90
  text "3V3" at -1657.5,-122.5 h15 r270
  text "GND" at -1267.5,-130 h15 r270
  text "GND" at -1235,-130 h15 r270
  text "Motor2" at 1747.5,-152.5 h31.5
  text "M2B" at -1657.5,-200 h15 r270
  text "M2A" at -1657.5,-277.5 h15 r270
  text "Motor1" at 1752.5,-522.5 h31.5
  text "DC-12V-24V" at -1927.5,-832.5 h31.5 r270
  text "b" at 234.2,-1046.58 h350
  text "P" at 77.5,-1050 h350
  text "SWITCH" at -855,-1160 h31.5
Drill Drawing:
  text ".Legend" at 2107.5,-1160 h15